# KiCad board SevenSegment.kicad_pcb
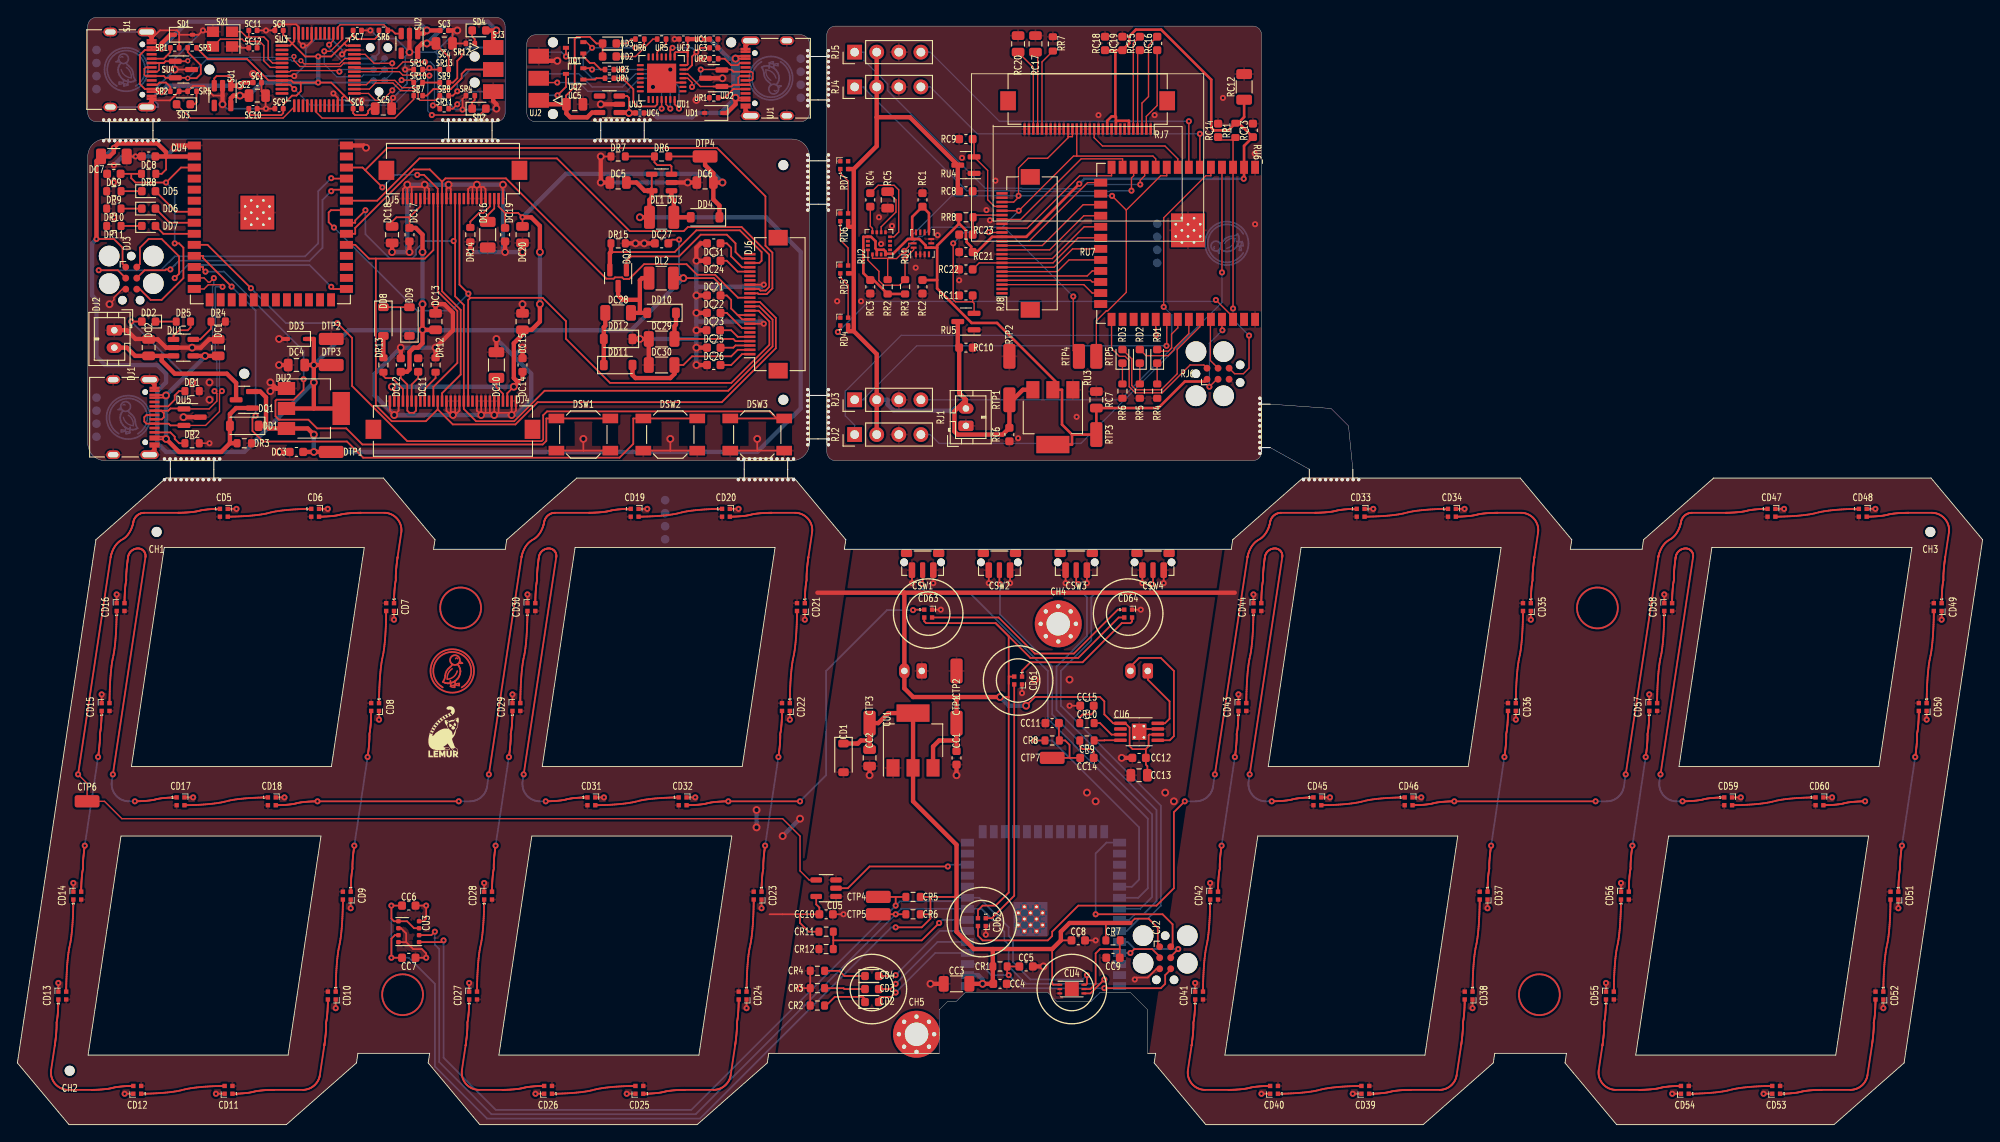
[diagram p0: board, top side]
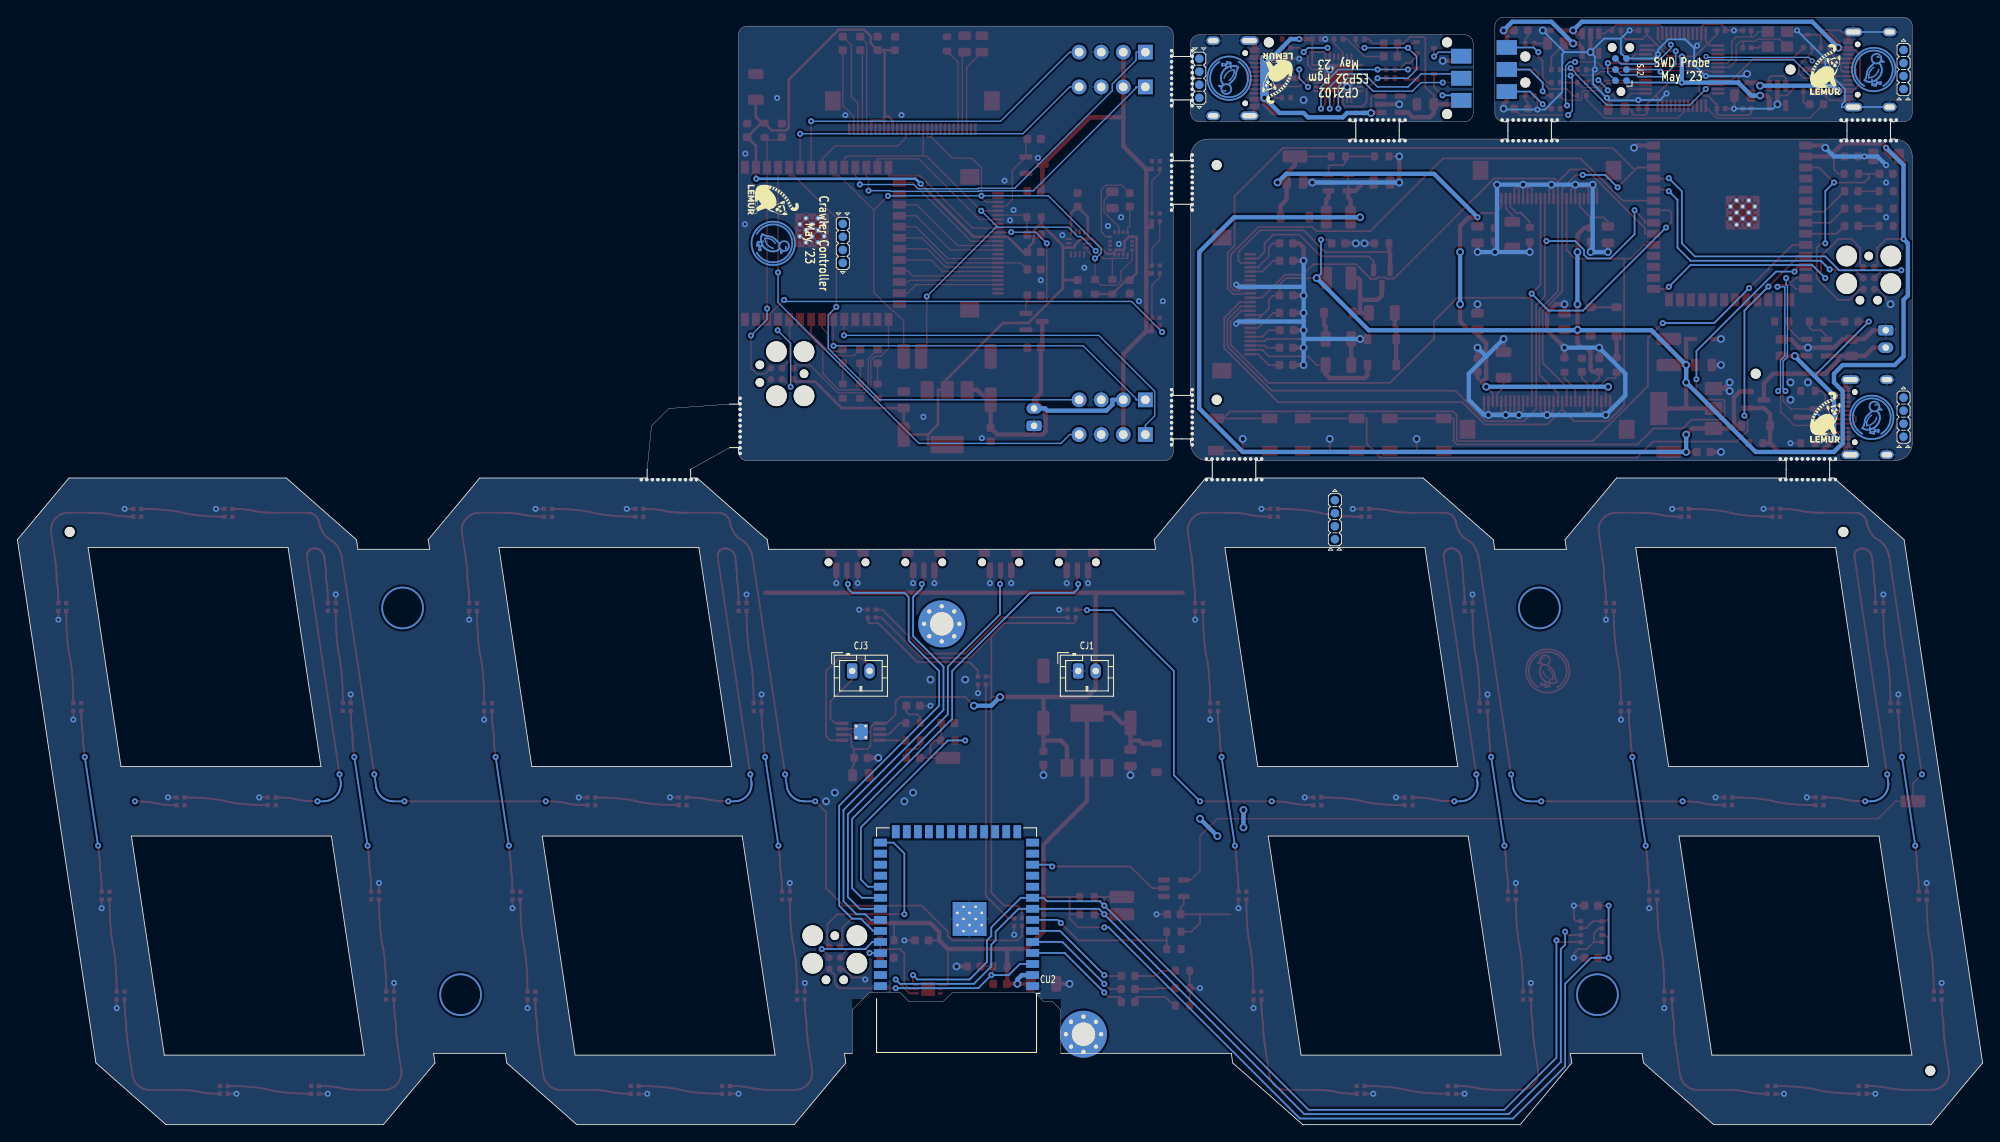
[diagram p1: board, bottom side, seen from below]

Outline 226.03 x 127.4 mm; copper layers: Front, Back. Coordinates in mm from the lower left corner of the outline.
Outline path: 10.09,113.4 arc(8.68,112.81) 8.09,111.4 8.09,78.4 arc(8.68,76.99) 10.09,76.4 17.09,76.4 ; 10.09,115.4 9.09,115.4 arc(8.39,115.69) 8.09,116.4 8.09,126.4 arc(8.39,127.11) 9.09,127.4 55.09,127.4 arc(55.8,127.11) 56.09,126.4 56.09,116.4 arc(55.8,115.69) 55.09,115.4 ; 16.09,115.4 49.09,115.4 ; 16.09,113.4 49.09,113.4 ; 17.09,74.4 9.03,67.3 0,7.1 5.94,0 30.94,0 39,7.1 39.16,8.2 47.41,8.2 47.25,7.1 53.19,0 78.19,0 86.25,7.1 86.41,8.2 106.02,8.2 106.02,13.2 107.02,14.2 108.02,14.2 109.02,15.2 118.52,15.2 119.52,14.2 123.52,14.2 124.52,15.2 128.01,15.2 130.01,13.2 130.01,8.2 130.91,8.2 130.75,7.1 136.69,0 161.69,0 169.75,7.1 169.91,8.2 178.16,8.2 178,7.1 183.94,0 208.94,0 217,7.1 226.03,67.3 220.09,74.4 195.09,74.4 187.03,67.3 186.87,66.2 178.62,66.2 178.78,67.3 172.84,74.4 154.09,74.4 ; 23.09,74.4 42.09,74.4 48.03,67.3 47.86,66.2 56.11,66.2 56.28,67.3 64.34,74.4 83.09,74.4 ; 55.09,113.4 66.59,113.4 ; 66.59,115.4 59.59,115.4 arc(58.89,115.69) 58.59,116.4 58.59,124.4 arc(58.89,125.11) 59.59,125.4 90.09,125.4 arc(90.8,125.11) 91.09,124.4 91.09,123.4 ; 72.59,115.4 90.09,115.4 arc(90.8,115.69) 91.09,116.4 91.09,117.4 ; 72.59,113.4 89.09,113.4 arc(90.51,112.81) 91.09,111.4 ; 83.09,76.4 23.09,76.4 ; 89.09,74.4 89.34,74.4 95.28,67.3 95.12,66.2 139.62,66.2 139.78,67.3 147.84,74.4 148.09,74.4 ; 91.09,105.4 91.09,84.4 ; 91.09,78.4 arc(90.51,76.99) 89.09,76.4 ; 93.09,123.4 93.09,125.4 arc(93.39,126.11) 94.09,126.4 142.09,126.4 arc(142.8,126.11) 143.09,125.4 143.09,83.4 ; 93.09,117.4 93.09,111.4 ; 93.09,105.4 93.09,84.4 ; 93.09,78.4 93.09,77.4 arc(93.39,76.69) 94.09,76.4 142.09,76.4 arc(142.8,76.69) 143.09,77.4 ; 144.09,82.9 151.09,82.4 153.09,80.4 153.59,75.4 ; 148.59,75.4 144.09,77.9 ; 8.13,8 11.91,33.2 34.91,33.2 31.14,8 8.13,8 ; 13.11,41.2 16.89,66.4 39.89,66.4 36.11,41.2 13.11,41.2 ; 55.39,8 59.16,33.2 82.16,33.2 78.38,8 55.39,8 ; 60.36,41.2 64.14,66.4 87.14,66.4 83.37,41.2 60.36,41.2 ; 138.88,8 142.66,33.2 165.66,33.2 161.88,8 138.88,8 ; 143.87,41.2 147.65,66.4 170.64,66.4 166.87,41.2 143.87,41.2 ; 186.13,8 189.91,33.2 212.91,33.2 209.13,8 186.13,8 ; 191.12,41.2 194.89,66.4 217.89,66.4 214.12,41.2 191.12,41.2
Stack: Front 0.035mm / dielectric 0.91mm FR4 er 4.5 / Back 0.035mm

## Placement (name value [footprint] x y rotation side)
CC1  -  [C_0603_1608Metric]  108.02 42.2 270 top
CC2  -  [C_0805_2012Metric]  98.02 42.2 270 top
CC3  -  [C_1206_3216Metric]  108.02 16.2 180 top
CC4  -  [C_0603_1608Metric]  113.02 16.2 0 top
CC5  -  [C_0603_1608Metric]  116.02 18.2 0 top
CC6  -  [C_0603_1608Metric]  45.02 25.2 0 top
CC7  -  [C_0603_1608Metric]  45.02 19.2 0 top
CC8  -  [C_0603_1608Metric]  122.02 21.2 0 top
CC9  -  [C_0603_1608Metric]  126.02 19.2 180 top
CC10  -  [C_0603_1608Metric]  93.02 24.2 0 top
CC11  -  [C_0603_1608Metric]  119.02 46.2 180 top
CC12  -  [C_0603_1608Metric]  129.01 42.2 180 top
CC13  -  [C_0805_2012Metric]  129.01 40.2 180 top
CC14  -  [C_0603_1608Metric]  123.02 42.2 180 top
CC15  -  [C_0603_1608Metric]  123.02 48.2 180 top
CD1  BZT52C3V6 (SMC(Sangdest Microelectronicstronic (Nanjing))) - 5?A@1V 90? Single 3.6V~3.8V 350mW 3.4V SOD-123 Zener Diodes ROHS  [D_SOD-123]  95.02 42.2 270 top
CD2  KT-0603R (Hubei KENTO Elec) - Red 615~630nm 1.9~2.2V 0603 Light Emitting Diodes (LED) RoHS  [LED_0603_1608Metric]  98.28 14.1 0 top
CD3  -  [LED_0603_1608Metric]  98.28 15.6 0 top
CD4  -  [LED_0603_1608Metric]  98.28 17.1 0 top
CD5  SK6805-EC15 (Opsco Optoelectronics)  [LED_SK6812_EC15_1.5x1.5mm]  23.75 70.4 0 top
CD6  SK6805-EC15 (Opsco Optoelectronics)  [LED_SK6812_EC15_1.5x1.5mm]  34.25 70.4 0 top
CD7  SK6805-EC15 (Opsco Optoelectronics)  [LED_SK6812_EC15_1.5x1.5mm]  42.87 59.55 270 top
CD8  SK6805-EC15 (Opsco Optoelectronics)  [LED_SK6812_EC15_1.5x1.5mm]  41.14 48.05 270 top
CD9  SK6805-EC15 (Opsco Optoelectronics)  [LED_SK6812_EC15_1.5x1.5mm]  37.89 26.35 270 top
CD10  SK6805-EC15 (Opsco Optoelectronics)  [LED_SK6812_EC15_1.5x1.5mm]  36.16 14.85 270 top
CD11  SK6805-EC15 (Opsco Optoelectronics)  [LED_SK6812_EC15_1.5x1.5mm]  24.28 4 180 top
CD12  SK6805-EC15 (Opsco Optoelectronics)  [LED_SK6812_EC15_1.5x1.5mm]  13.78 4 180 top
CD13  SK6805-EC15 (Opsco Optoelectronics)  [LED_SK6812_EC15_1.5x1.5mm]  5.16 14.85 90 top
CD14  SK6805-EC15 (Opsco Optoelectronics)  [LED_SK6812_EC15_1.5x1.5mm]  6.89 26.35 90 top
CD15  SK6805-EC15 (Opsco Optoelectronics)  [LED_SK6812_EC15_1.5x1.5mm]  10.14 48.05 90 top
CD16  SK6805-EC15 (Opsco Optoelectronics)  [LED_SK6812_EC15_1.5x1.5mm]  11.87 59.55 90 top
CD17  SK6805-EC15 (Opsco Optoelectronics)  [LED_SK6812_EC15_1.5x1.5mm]  18.77 37.2 0 top
CD18  SK6805-EC15 (Opsco Optoelectronics)  [LED_SK6812_EC15_1.5x1.5mm]  29.27 37.2 0 top
CD19  SK6805-EC15 (Opsco Optoelectronics)  [LED_SK6812_EC15_1.5x1.5mm]  71 70.4 0 top
CD20  SK6805-EC15 (Opsco Optoelectronics)  [LED_SK6812_EC15_1.5x1.5mm]  81.5 70.4 0 top
CD21  SK6805-EC15 (Opsco Optoelectronics)  [LED_SK6812_EC15_1.5x1.5mm]  90.12 59.55 270 top
CD22  SK6805-EC15 (Opsco Optoelectronics)  [LED_SK6812_EC15_1.5x1.5mm]  88.39 48.05 270 top
CD23  SK6805-EC15 (Opsco Optoelectronics)  [LED_SK6812_EC15_1.5x1.5mm]  85.14 26.35 270 top
CD24  SK6805-EC15 (Opsco Optoelectronics)  [LED_SK6812_EC15_1.5x1.5mm]  83.41 14.85 270 top
CD25  SK6805-EC15 (Opsco Optoelectronics)  [LED_SK6812_EC15_1.5x1.5mm]  71.53 4 180 top
CD26  SK6805-EC15 (Opsco Optoelectronics)  [LED_SK6812_EC15_1.5x1.5mm]  61.03 4 180 top
CD27  SK6805-EC15 (Opsco Optoelectronics)  [LED_SK6812_EC15_1.5x1.5mm]  52.41 14.85 90 top
CD28  SK6805-EC15 (Opsco Optoelectronics)  [LED_SK6812_EC15_1.5x1.5mm]  54.14 26.35 90 top
CD29  SK6805-EC15 (Opsco Optoelectronics)  [LED_SK6812_EC15_1.5x1.5mm]  57.39 48.05 90 top
CD30  SK6805-EC15 (Opsco Optoelectronics)  [LED_SK6812_EC15_1.5x1.5mm]  59.12 59.55 90 top
CD31  SK6805-EC15 (Opsco Optoelectronics)  [LED_SK6812_EC15_1.5x1.5mm]  66.02 37.2 0 top
CD32  SK6805-EC15 (Opsco Optoelectronics)  [LED_SK6812_EC15_1.5x1.5mm]  76.52 37.2 0 top
CD33  SK6805-EC15 (Opsco Optoelectronics)  [LED_SK6812_EC15_1.5x1.5mm]  154.5 70.4 0 top
CD34  SK6805-EC15 (Opsco Optoelectronics)  [LED_SK6812_EC15_1.5x1.5mm]  165 70.4 0 top
CD35  SK6805-EC15 (Opsco Optoelectronics)  [LED_SK6812_EC15_1.5x1.5mm]  173.62 59.55 270 top
CD36  SK6805-EC15 (Opsco Optoelectronics)  [LED_SK6812_EC15_1.5x1.5mm]  171.89 48.05 270 top
CD37  SK6805-EC15 (Opsco Optoelectronics)  [LED_SK6812_EC15_1.5x1.5mm]  168.64 26.35 270 top
CD38  SK6805-EC15 (Opsco Optoelectronics)  [LED_SK6812_EC15_1.5x1.5mm]  166.91 14.85 270 top
CD39  SK6805-EC15 (Opsco Optoelectronics)  [LED_SK6812_EC15_1.5x1.5mm]  155.03 4 180 top
CD40  SK6805-EC15 (Opsco Optoelectronics)  [LED_SK6812_EC15_1.5x1.5mm]  144.53 4 180 top
CD41  SK6805-EC15 (Opsco Optoelectronics)  [LED_SK6812_EC15_1.5x1.5mm]  135.91 14.85 90 top
CD42  SK6805-EC15 (Opsco Optoelectronics)  [LED_SK6812_EC15_1.5x1.5mm]  137.64 26.35 90 top
CD43  SK6805-EC15 (Opsco Optoelectronics)  [LED_SK6812_EC15_1.5x1.5mm]  140.89 48.05 90 top
CD44  SK6805-EC15 (Opsco Optoelectronics)  [LED_SK6812_EC15_1.5x1.5mm]  142.62 59.55 90 top
CD45  SK6805-EC15 (Opsco Optoelectronics)  [LED_SK6812_EC15_1.5x1.5mm]  149.51 37.2 0 top
CD46  SK6805-EC15 (Opsco Optoelectronics)  [LED_SK6812_EC15_1.5x1.5mm]  160.01 37.2 0 top
CD47  SK6805-EC15 (Opsco Optoelectronics)  [LED_SK6812_EC15_1.5x1.5mm]  201.75 70.4 0 top
CD48  SK6805-EC15 (Opsco Optoelectronics)  [LED_SK6812_EC15_1.5x1.5mm]  212.25 70.4 0 top
CD49  SK6805-EC15 (Opsco Optoelectronics)  [LED_SK6812_EC15_1.5x1.5mm]  220.87 59.55 270 top
CD50  SK6805-EC15 (Opsco Optoelectronics)  [LED_SK6812_EC15_1.5x1.5mm]  219.14 48.05 270 top
CD51  SK6805-EC15 (Opsco Optoelectronics)  [LED_SK6812_EC15_1.5x1.5mm]  215.89 26.35 270 top
CD52  SK6805-EC15 (Opsco Optoelectronics)  [LED_SK6812_EC15_1.5x1.5mm]  214.16 14.85 270 top
CD53  SK6805-EC15 (Opsco Optoelectronics)  [LED_SK6812_EC15_1.5x1.5mm]  202.28 4 180 top
CD54  SK6805-EC15 (Opsco Optoelectronics)  [LED_SK6812_EC15_1.5x1.5mm]  191.78 4 180 top
CD55  SK6805-EC15 (Opsco Optoelectronics)  [LED_SK6812_EC15_1.5x1.5mm]  183.16 14.85 90 top
CD56  SK6805-EC15 (Opsco Optoelectronics)  [LED_SK6812_EC15_1.5x1.5mm]  184.89 26.35 90 top
CD57  SK6805-EC15 (Opsco Optoelectronics)  [LED_SK6812_EC15_1.5x1.5mm]  188.14 48.05 90 top
CD58  SK6805-EC15 (Opsco Optoelectronics)  [LED_SK6812_EC15_1.5x1.5mm]  189.87 59.55 90 top
CD59  SK6805-EC15 (Opsco Optoelectronics)  [LED_SK6812_EC15_1.5x1.5mm]  196.76 37.2 0 top
CD60  SK6805-EC15 (Opsco Optoelectronics)  [LED_SK6812_EC15_1.5x1.5mm]  207.26 37.2 0 top
CD61  SK6805-EC15 (Opsco Optoelectronics)  [LED_SK6812_EC15_1.5x1.5mm]  115.1 51.1 270 top
CD62  SK6805-EC15 (Opsco Optoelectronics)  [LED_SK6812_EC15_1.5x1.5mm]  110.93 23.3 270 top
CD63  SK6805-EC15 (Opsco Optoelectronics)  [LED_SK6812_EC15_1.5x1.5mm]  104.75 58.8 0 top
CD64  SK6805-EC15 (Opsco Optoelectronics)  [LED_SK6812_EC15_1.5x1.5mm]  127.75 58.8 0 top
CH1  -  [JlcToolingHole_1.152mm]  16.02 68.2 0 top
CH2  -  [JlcToolingHole_1.152mm]  6.01 6.2 0 top
CH3  -  [JlcToolingHole_1.152mm]  220.01 68.2 0 top
CH4  M2.5  [MountingHole_2.7mm_M2.5_Pad_Via]  119.72 57.62 0 top
CH5  M2.5  [MountingHole_2.7mm_M2.5_Pad_Via]  103.41 10.4 0 top
CJ1  B2B-PH-K (JST)  [JST_PH_B2B-PH-K_1x02_P2.00mm_Vertical]  104.02 52.2 180 bottom
CJ2  -  [Tag-Connect_TC2030-IDC-FP_2x03_P1.27mm_Vertical]  132.01 19.2 270 top
CJ3  B2B-PH-K (JST)  [JST_PH_B2B-PH-K_1x02_P2.00mm_Vertical]  130.01 52.2 180 bottom
CR1  -  [R_0603_1608Metric]  113.02 18.2 0 top
CR2  -  [R_0603_1608Metric]  92.02 13.7 180 top
CR3  -  [R_0603_1608Metric]  92.02 15.7 180 top
CR4  -  [R_0603_1608Metric]  92.02 17.7 180 top
CR5  -  [R_0603_1608Metric]  103.02 26.2 180 top
CR6  -  [R_0603_1608Metric]  103.02 24.2 180 top
CR7  -  [R_0603_1608Metric]  126.02 21.2 0 top
CR8  -  [R_0603_1608Metric]  119.02 44.2 0 top
CR9  -  [R_0603_1608Metric]  123.02 44.2 0 top
CR10  -  [R_0603_1608Metric]  123.02 46.2 0 top
CR11  -  [R_0603_1608Metric]  93.02 22.2 0 top
CR12  -  [R_0603_1608Metric]  93.02 20.2 180 top
CSW1  SKRTLAE010 (Alps Alpine)  [SW_Push_1P1T-MP_NO_Horizontal_Alps_SKRTLAE010]  104.12 64.7 180 top
CSW2  SKRTLAE010 (Alps Alpine)  [SW_Push_1P1T-MP_NO_Horizontal_Alps_SKRTLAE010]  112.95 64.7 180 top
CSW3  SKRTLAE010 (Alps Alpine)  [SW_Push_1P1T-MP_NO_Horizontal_Alps_SKRTLAE010]  121.78 64.7 180 top
CSW4  SKRTLAE010 (Alps Alpine)  [SW_Push_1P1T-MP_NO_Horizontal_Alps_SKRTLAE010]  130.62 64.7 180 top
CTP1  5015 (Keystone) - pwr  [TestPoint_TE_RCT_0805]  108.02 46.2 90 top
CTP2  5015 (Keystone) - gnd  [TestPoint_TE_RCT_0805]  108.02 52.2 90 top
CTP3  5015 (Keystone) - v3v3  [TestPoint_TE_RCT_0805]  98.02 46.2 90 top
CTP4  5015 (Keystone) - i2c_chain_0.scl  [TestPoint_TE_RCT_0805]  99.02 26.2 0 top
CTP5  5015 (Keystone) - i2c_tp._io_sda_link  [TestPoint_TE_RCT_0805]  99.02 24.2 0 top
CTP6  5015 (Keystone) - _rgb_shift_output_link  [TestPoint_TE_RCT_0805]  8.01 37.2 0 top
CTP7  5015 (Keystone) - spk_chain_1  [TestPoint_TE_RCT_0805]  119.02 42.2 0 top
CU1  LDL1117S33R (STMicroelectronics)  [SOT-223-3_TabPin2]  103.02 44.2 90 top
CU2  ESP32-S3-WROOM-1-N16R8 (Espressif Systems)  [ESP32-S3-WROOM-1]  118.02 21.2 0 bottom
CU3  BME680 (Bosch Sensortec)  [Bosch_LGA-8_3x3mm_P0.8mm_ClockwisePinNumbering]  45.02 22.2 270 top
CU4  BH1750 (Rohm Semiconductor)  [HVSOF6]  121.28 15.6 0 top
CU5  74AHCT1G125W5-7 (Diodes Incorporated)  [SOT-23-5]  93.02 27.2 180 top
CU6  TPA2005D1 (Texas Instruments)  [MSOP-8-1EP_3x3mm_P0.65mm_EP1.68x1.88mm_ThermalVias]  129.01 45.2 0 top
DC1  -  [C_0805_2012Metric]  23.09 89.4 90 top
DC2  -  [C_0805_2012Metric]  15.09 89.4 90 top
DC3  -  [C_0603_1608Metric]  32.09 77.4 180 top
DC4  -  [C_0805_2012Metric]  32.09 87.4 180 top
DC5  -  [C_0805_2012Metric]  69.09 108.4 180 top
DC6  -  [C_0805_2012Metric]  79.09 108.4 180 top
DC7  -  [C_1206_3216Metric]  11.09 111.4 0 top
DC8  -  [C_0603_1608Metric]  15.09 111.4 180 top
DC9  -  [C_0603_1608Metric]  11.09 109.4 180 top
DC10  -  [C_1206_3216Metric]  55.09 87.4 90 top
DC11  -  [C_0603_1608Metric]  46.09 87.4 90 top
DC12  -  [C_0603_1608Metric]  44.09 87.4 90 top
DC13  -  [C_0805_2012Metric]  48.09 92.4 90 top
DC14  -  [C_0603_1608Metric]  58.09 87.4 90 top
DC15  -  [C_0805_2012Metric]  58.09 92.4 90 top
DC16  -  [C_1206_3216Metric]  54.09 102.4 270 top
DC17  -  [C_0603_1608Metric]  45.09 102.4 270 top
DC18  -  [C_0805_2012Metric]  43.09 102.4 270 top
DC19  -  [C_0603_1608Metric]  56.09 102.4 270 top
DC20  -  [C_0805_2012Metric]  58.09 102.4 270 top
DC21  -  [C_0603_1608Metric]  80.09 95.4 180 top
DC22  -  [C_0603_1608Metric]  80.09 93.4 180 top
DC23  -  [C_0603_1608Metric]  80.05 91.4 180 top
DC24  -  [C_0603_1608Metric]  80.09 99.4 180 top
DC25  -  [C_0603_1608Metric]  80.09 89.4 0 top
DC26  -  [C_0603_1608Metric]  80.09 87.4 180 top
DC27  -  [C_0603_1608Metric]  74.09 101.4 180 top
DC28  -  [C_1206_3216Metric]  69.09 93.4 180 top
DC29  -  [C_1206_3216Metric]  74.09 90.4 180 top
DC30  -  [C_1206_3216Metric]  74.09 87.4 0 top
DC31  -  [C_0603_1608Metric]  80.09 101.4 0 top
DD1  B5819W SL (Changjiang Electronics Tech (CJ)) - 40V 600mV@1A 1A SOD-123 Schottky Barrier Diodes (SBD) ROHS  [D_SOD-123]  26.09 80.4 180 top
DD2  -  [LED_0603_1608Metric]  15.09 92.4 180 top
DD3  BZT52B3V6S (SMC(Sangdest Microelectronicstronic (Nanjing))) - 5?A@1V 90? Single 3.53V~3.67V 200mW 3.6V SOD-323 Zener Diodes ROHS  [D_SOD-323]  32.09 90.4 180 top
DD4  B0520W (Shikues) - 20V 390mV@500mA 500mA SOD-123 Schottky Barrier Diodes (SBD) ROHS  [D_SOD-123]  79.09 104.4 180 top
DD5  KT-0603R (Hubei KENTO Elec) - Red 615~630nm 1.9~2.2V 0603 Light Emitting Diodes (LED) RoHS  [LED_0603_1608Metric]  15.09 107.4 0 top
DD6  -  [LED_0603_1608Metric]  15.09 105.4 0 top
DD7  -  [LED_0603_1608Metric]  15.09 103.4 0 top
DD8  B5819W SL (Changjiang Electronics Tech (CJ)) - 40V 600mV@1A 1A SOD-123 Schottky Barrier Diodes (SBD) ROHS  [D_SOD-123]  42.09 92.4 270 top
DD9  B5819W SL (Changjiang Electronics Tech (CJ)) - 40V 600mV@1A 1A SOD-123 Schottky Barrier Diodes (SBD) ROHS  [D_SOD-123]  45.09 92.4 90 top
DD10  B5817W (Guangdong Hottech) - 20V 450mV@1A 300mA SOD-123 Schottky Barrier Diodes (SBD) ROHS  [D_SOD-123]  74.09 93.4 180 top
DD11  B5817W (Guangdong Hottech) - 20V 450mV@1A 300mA SOD-123 Schottky Barrier Diodes (SBD) ROHS  [D_SOD-123]  69.09 87.4 0 top
DD12  B5817W (Guangdong Hottech) - 20V 450mV@1A 300mA SOD-123 Schottky Barrier Diodes (SBD) ROHS  [D_SOD-123]  69.09 90.4 180 top
DH1  -  [JlcToolingHole_1.152mm]  26.09 86.4 0 top
DH2  -  [JlcToolingHole_1.152mm]  88.09 110.4 0 top
DH3  -  [JlcToolingHole_1.152mm]  88.09 83.4 0 top
DJ1  COM-15111 (Sparkfun)  [USB_C_Receptacle_XKB_U262-16XN-4BVC11]  12.09 81.4 270 top
DJ2  B2B-PH-K (JST)  [JST_PH_B2B-PH-K_1x02_P2.00mm_Vertical]  11.14 91.4 270 top
DJ3  -  [Tag-Connect_TC2030-IDC-FP_2x03_P1.27mm_Vertical]  13.09 97.4 270 top
DJ4  AFC01-S30ECA-00 (Jushuo)  [Hirose_FH12-30S-0.5SH_1x30-1MP_P0.50mm_Horizontal]  50.09 81.4 0 top
DJ5  AFC01-S24ECA-00 (Jushuo)  [Hirose_FH12-24S-0.5SH_1x24-1MP_P0.50mm_Horizontal]  50.09 108.4 180 top
DJ6  AFC01-S24ECA-00 (Jushuo)  [Hirose_FH12-24S-0.5SH_1x24-1MP_P0.50mm_Horizontal]  86.09 94.4 90 top
DL1  -  [L_1210_3225Metric]  74.09 104.4 0 top
DL2  -  [L_1210_3225Metric]  74.05 97.4 180 top
DQ1  AO3401A (Alpha & Omega Semicon) - 30V 4A 44m?@10V,4.3A 1.4W 1.3V@250?A P Channel SOT-23-3L MOSFETs ROHS  [SOT-23]  26.09 83.4 180 top
DQ2  AO3400A (Alpha & Omega Semicon) - 30V 5.7A 26.5m?@10V,5.7A 1.4W 1.5V@250?A N Channel SOT-23-3L MOSFETs ROHS  [SOT-23]  69.09 97.4 270 top
DR1  -  [R_0603_1608Metric]  20.09 84.4 180 top
DR2  -  [R_0603_1608Metric]  20.09 78.4 180 top
DR3  -  [R_0603_1608Metric]  26.09 78.4 0 top
DR4  -  [R_0603_1608Metric]  23.09 92.4 0 top
DR5  -  [R_0603_1608Metric]  19.09 92.4 0 top
DR6  -  [R_0603_1608Metric]  74.09 111.4 180 top
DR7  -  [R_0603_1608Metric]  69.09 111.4 180 top
DR8  -  [R_0603_1608Metric]  15.09 109.4 180 top
DR9  -  [R_0603_1608Metric]  11.09 107.4 180 top
DR10  -  [R_0603_1608Metric]  11.09 105.4 180 top
DR11  -  [R_0603_1608Metric]  11.09 103.4 180 top
DR12  -  [R_0603_1608Metric]  48.09 87.4 90 top
DR13  -  [R_0603_1608Metric]  42.09 87.4 90 top
DR14  -  [R_0603_1608Metric]  52.09 102.4 270 top
DR15  -  [R_0603_1608Metric]  69.09 101.4 0 top
DSW1  5.1mm switch  [SW_SPST_SKQG_WithoutStem]  65.09 79.4 0 top
DSW2  5.1mm switch  [SW_SPST_SKQG_WithoutStem]  75.09 79.4 0 top
DSW3  5.1mm switch  [SW_SPST_SKQG_WithoutStem]  85.09 79.4 0 top
DTP1  5015 (Keystone) - pwr  [TestPoint_TE_RCT_0805]  36.09 77.4 0 top
DTP2  5015 (Keystone) - gnd  [TestPoint_TE_RCT_0805]  36.09 90.4 0 top
DTP3  5015 (Keystone) - v3v3  [TestPoint_TE_RCT_0805]  36.09 87.4 0 top
DTP4  5015 (Keystone) - v12  [TestPoint_TE_RCT_0805]  79.09 111.4 0 top
DU1  MCP73831T-2ACI/OT (Microchip Technology)  [SOT-23-5]  19.09 89.4 0 top
DU2  LDL1117S33R (STMicroelectronics)  [SOT-223-3_TabPin2]  34.09 82.4 0 top
DU3  AP3012K (Diodes Incorporated)  [SOT-23-5]  74.09 108.4 180 top
DU4  ESP32-S3-WROOM-1-N16R8 (Espressif Systems)  [ESP32-S3-WROOM-1]  29.09 107.4 0 top
DU5  PESD5V0X1BT (Nexperia)  [SOT-23]  20.09 81.4 0 top
RC1  100nF  [C_0603_1608Metric]  104.09 106.4 90 top
RC2  100nF  [C_0603_1608Metric]  104.09 96.4 270 top
RC3  100nF  [C_0603_1608Metric]  98.09 96.4 270 top
RC4  220nF  [C_0603_1608Metric]  98.09 106.4 270 top
RC5  4.7uF  [C_0805_2012Metric]  100.09 106.4 270 top
RC6  100nF  [C_0603_1608Metric]  114.09 79.4 270 top
RC7  4.7uF  [C_0805_2012Metric]  124.09 83.4 90 top
RC8  1uF  [C_0603_1608Metric]  109.09 107.4 0 top
RC9  1uF  [C_0603_1608Metric]  109.09 113.4 180 top
RC10  1uF  [C_0603_1608Metric]  109.09 89.4 0 top
RC11  1uF  [C_0603_1608Metric]  109.09 95.4 180 top
RC12  22uF  [C_1206_3216Metric]  141.09 119.4 90 top
RC13  100nF  [C_0603_1608Metric]  142.09 114.4 90 top
RC14  1uF  [C_0603_1608Metric]  138.09 114.4 90 top
RC15  1uF  [C_0603_1608Metric]  129.09 124.4 90 top
RC16  1uF  [C_0603_1608Metric]  131.09 124.4 90 top
RC17  4.7uF  [C_0805_2012Metric]  117.09 124.35 90 top
RC18  1uF  [C_0603_1608Metric]  125.09 124.4 90 top
RC19  1uF  [C_0603_1608Metric]  127.09 124.4 90 top
RC20  2.2uF  [C_0805_2012Metric]  115.09 124.35 90 top
RC21  100nF  [C_0603_1608Metric]  109.09 100.4 180 top
RC22  15pF  [C_0603_1608Metric]  109.09 98.4 180 top
RC23  100nF  [C_0603_1608Metric]  109.09 102.4 180 top
RD1  LED  [LED_0603_1608Metric]  131.09 88.4 90 top
RD2  LED  [LED_0603_1608Metric]  129.09 88.4 90 top
RD3  LED  [LED_0603_1608Metric]  127.09 88.4 90 top
RD4  SK6805-EC15 (Opsco Optoelectronics)  [LED_SK6812_EC15_1.5x1.5mm]  95.09 92.4 90 top
RD5  SK6805-EC15 (Opsco Optoelectronics)  [LED_SK6812_EC15_1.5x1.5mm]  95.09 98.4 90 top
RD6  SK6805-EC15 (Opsco Optoelectronics)  [LED_SK6812_EC15_1.5x1.5mm]  95.09 104.4 90 top
RD7  SK6805-EC15 (Opsco Optoelectronics)  [LED_SK6812_EC15_1.5x1.5mm]  95.09 110.4 90 top
REF**  MouseBites  [HalfMouseBites_Recessed]  92.09 108.4 270 top
REF**#2  MouseBites  [HalfMouseBites_Recessed]  69.59 114.4 180 top
REF**#3  MouseBites  [HalfMouseBites_Recessed]  92.09 81.4 270 top
REF**#4  MouseBites  [HalfMouseBites_Recessed]  92.09 120.4 270 top
REF**#5  MouseBites  [HalfMouseBites_Recessed]  92.09 120.4 90 top
REF**#6  MouseBites  [HalfMouseBites_Recessed]  20.09 75.4 180 top
REF**#7  MouseBites  [HalfMouseBites_Recessed]  86.09 75.4 180 top
REF**#8  MouseBites  [HalfMouseBites_Recessed]  20.09 75.4 0 top
REF**#9  MouseBites  [HalfMouseBites_Recessed]  13.09 114.4 180 top
REF**#10  MouseBites  [HalfMouseBites_Recessed]  151.09 75.4 180 top
REF**#11  MouseBites  [HalfMouseBites_Recessed]  52.09 114.4 180 top
REF**#12  MouseBites  [HalfMouseBites_Recessed]  92.09 81.4 90 top
REF**#13  MouseBites  [HalfMouseBites_Recessed]  92.09 108.4 90 top
REF**#14  MouseBites  [HalfMouseBites_Recessed]  86.09 75.4 0 top
REF**#15  MouseBites  [HalfMouseBites_Recessed]  13.09 114.4 0 top
REF**#16  MouseBites  [HalfMouseBites_Recessed]  52.09 114.4 0 top
REF**#17  MouseBites  [HalfMouseBites_Recessed]  144.09 80.4 90 top
REF**#18  MouseBites  [HalfMouseBites_Recessed]  69.59 114.4 0 top
RJ1  B2B-PH-K (JST)  [JST_PH_B2B-PH-K_1x02_P2.00mm_Vertical]  109.09 80.4 90 top
RJ2  PinHeader2.54 1x4 (Generic)  [PinHeader_1x04_P2.54mm_Vertical]  96.3 79.4 90 top
RJ3  PinHeader2.54 1x4 (Generic)  [PinHeader_1x04_P2.54mm_Vertical]  96.3 83.4 90 top